# KiCad board ESP32-P4-PC_Rev_B.kicad_pcb (continued)
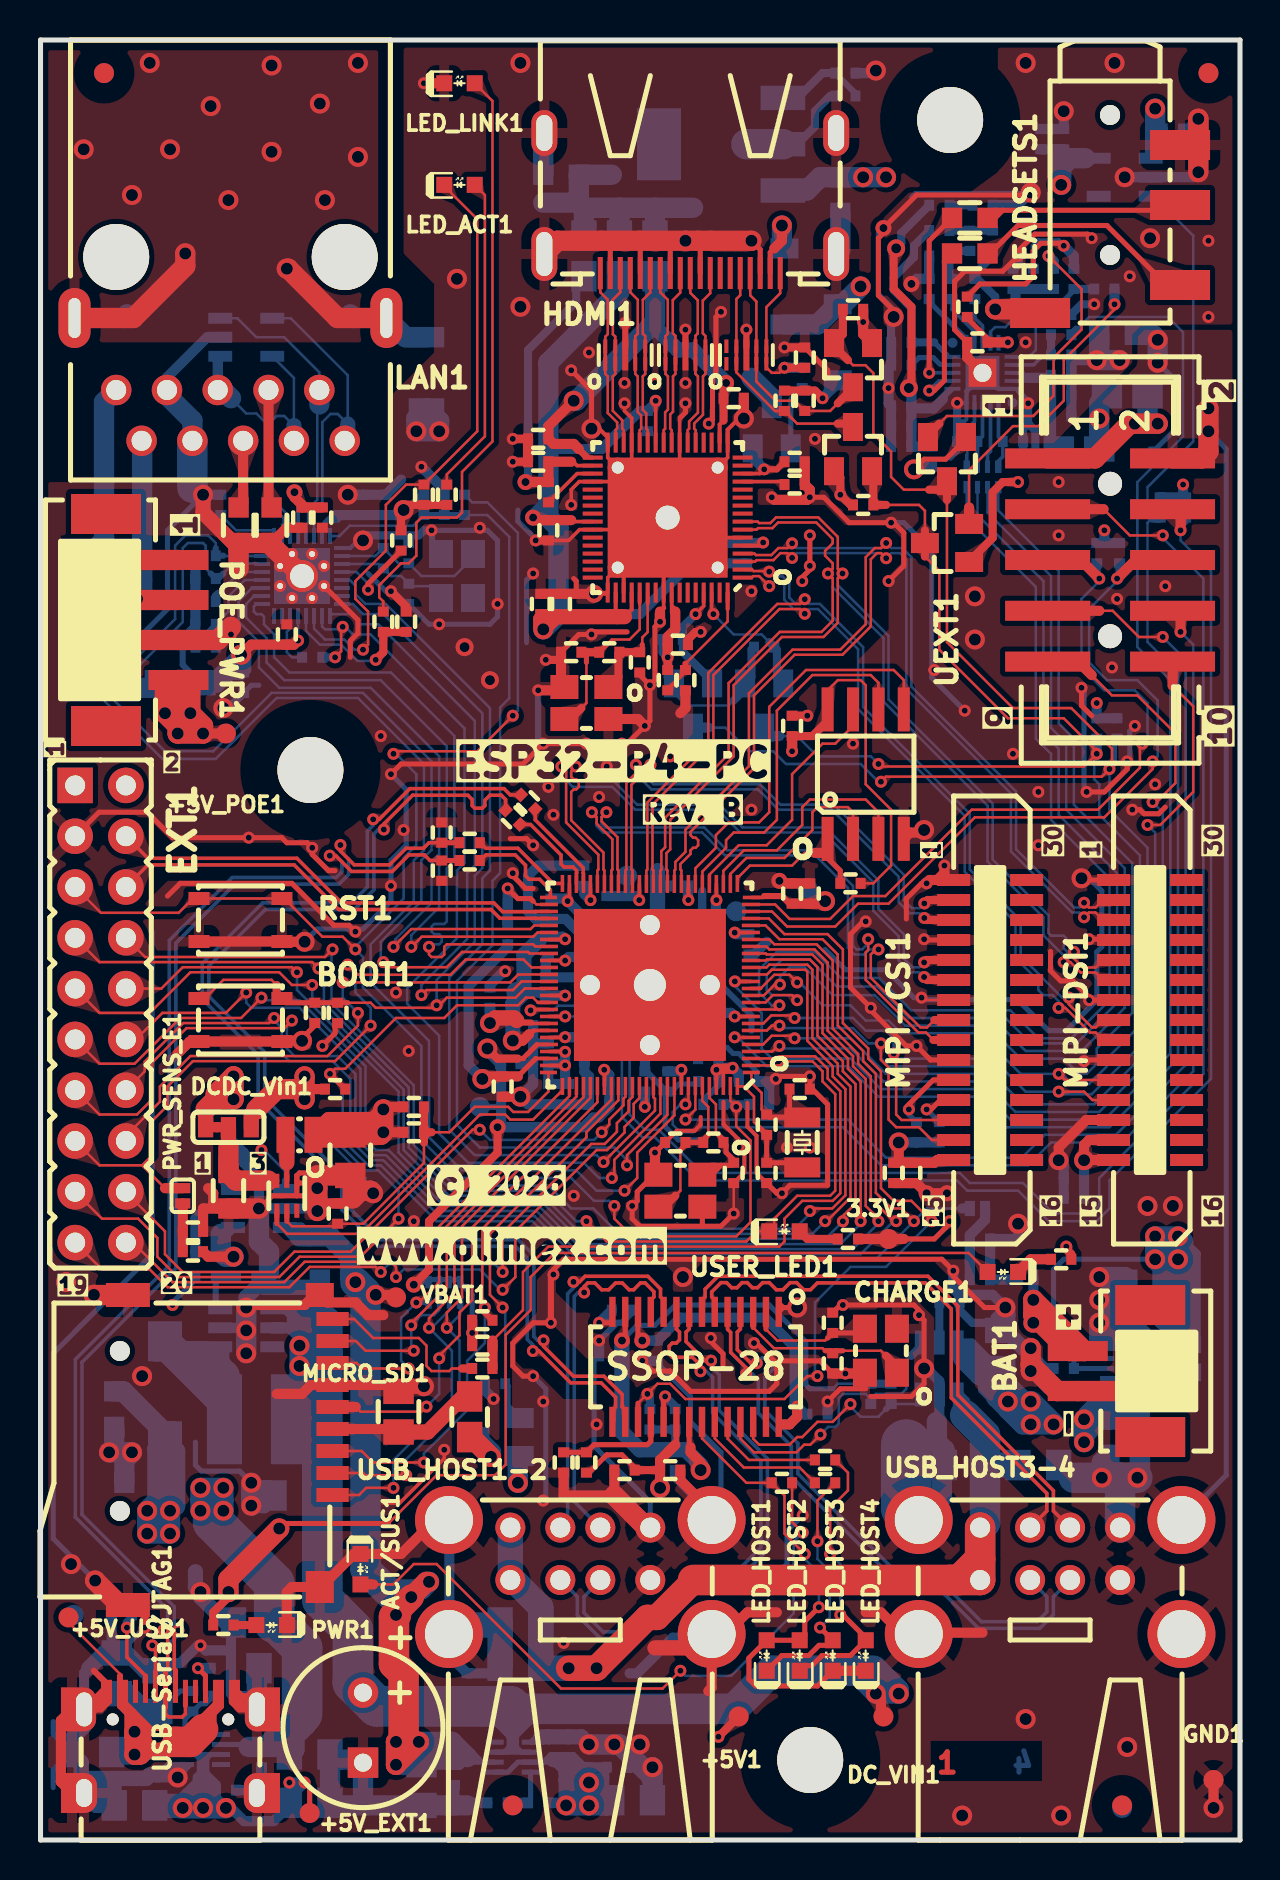
[diagram p0: board, top side]
## Placement (name value [footprint] x y rotation side) (continued)
U2  IP101GRR(32-PIN_QFN)  [QFN32_EP(33)_4.00x4.00x0.80mm_Pitch_0.40mm]  13.08 63.2 270 bottom
U3  W25Q128JVSIQ(16MB)  [SO-8_208mil]  41.28 53.29 0 top
U4  TPS62A02ADRLR(SOT-563-6)  [SOT-563-6]  54.1 23.58 0 bottom
U5  TPS62A02ADRLR(SOT-563-6)  [SOT-563-6]  12.32 32.21 90 top
U6  CH217K(SOT23-6L)  [SOT23-6]  44.96 23.58 270 bottom
U7  FE1.1s(SSOP-28)  [SSOP28_10x4mm_Pitch_0.64mm]  32.77 23.66 180 top
U8  ES8311(QFN-20)  [QFN-20_EP(21)_3x3x0.6mm_Pitch_0.4mm]  47.12 73.36 270 bottom
U9  NA(RCLAMP0524P(SLP2510P8))  [SLP2510P8_TEST]  29.25 74.25 0 top
U10  NA(RCLAMP0524P(SLP2510P8))  [SLP2510P8_TEST]  32.26 74.25 0 top
U11  NA(RCLAMP0524P(SLP2510P8))  [SLP2510P8_TEST]  35.31 74.25 0 top
U12  LT8912B(QFN64)  [QFN64_7.5x7.5mm_Pitch_0.4mm]  31.37 66.12 90 top
U13  TPS2116  [SOT-5X3]  8.13 4.53 90 bottom
U14  MT3608(SOT23-6)  [SOT23-6]  10.29 25.61 180 bottom
U15  TP4054-42-SOT25-R(SOT23-5)  [SOT-23-5]  10.92 31.58 0 bottom
U16  TPS2116  [SOT-5X3]  23.62 4.14 270 bottom
UEXT1  P-B-V-10-LF  [GBH-254-SMT-10]  53.5 64 270 top
USB-Serial/JTAG1  USB-C-16P-F(A40-00119-A52-12)  [USB2.0_TYPE-C(A40-00119-A52-12)_Paste]  6.5 3.5 270 top
USB_HOST1-2  USBB1-FRWH-4A(USB-Ax2)  [USB_TWO_LEVEL]  27 13 0 top
USB_HOST3-4  USBB1-FRWH-4A(USB-Ax2)  [USB_TWO_LEVEL]  50.5 13 0 top
USER_LED1  LED/GREEN/0603  [LED_0603_KA]  37.21 30.43 0 top
VBAT1  TESTPAD  [TESTPAD_40-ROUND]  17.78 27.13 0 top
VO1  TESTPAD  [TESTPAD_40-ROUND]  34.8 46.44 180 bottom
VO2  TESTPAD  [TESTPAD_40-ROUND]  23.8 42.4 180 bottom
VO3  TESTPAD  [TESTPAD_40-ROUND]  29.34 48.21 180 bottom
VO4  TESTPAD  [TESTPAD_40-ROUND]  21.97 36.66 180 bottom
VR1  LD1117AG-AD-AA3-A-R  [SOT223]  34.04 84.79 0 bottom
VR2  AP1231-3.3V(SOT23-5)  [SOT-23-5]  54.23 83.14 0 bottom

## Library data of the parts
3.3V1 +5V1 +5V_EXT1 +5V_POE1 +5V_USB1 CORE1 DC_VIN1 FID1-FID8 GND1 GND2 MH1-MH3 R1-R35 R37-R60 R63 R64 R66-R74 R76 R78-R82 R85 R87 R89 R91-R93 R95 R98 R102 R103 R105 VBAT1 VO1-VO4 = -: Sim.Enable: 0
BAT1 C66 C75 C115 R36 R90 R94 R96 VR1 = -: Fieldname 1: Value 1; Fieldname2: Value2; Fieldname3: Value3
HDMI1 = -: Description: HDMI Female Connector SMD; Note: PB-Free
HEADSETS1 = -: Description: 3.5mm Audio Stereo Jack SMD; Note: PB-Free
MICRO_SD1 = -: Description: MICRO SD Card Connector; Note: PB-Free
TVS1 = -: Description: The ESDS314 devices are unidirectional ESD Protection Diode with a low capacitance.
U3 = -: Field4: SO-8; Field5: 208mil
U4 = -: Description: 2-A High-Efficiency Synchronous Buck Converters in a SOT563 Package; Note: PB-Free; Field6: PB-Free
U5 = -: Description: 2-A High-Efficiency Synchronous Buck Converters in a SOT563 Package; Note: PB-Free; Field5: PB-Free
U6 = -: Description: USB Current limiting Power Distribution Switch Chip CH217; Note: PB-Free
U7 = -: Description: USB2.0 protocol compliant 4-port USB HUB controller chip.
U8 = -: Description: Low Power Mono Audio CODEC; Note: PB-Free
U12 = -: Note: PB-Free
U13 U16 = -: Description: TPS2116 is a power mux device with a voltage / rating of 1.6 V to 5.5 V and a maximum current rating of 2.5 A.
U14 = -: Description: High Efficiency 1.2MHz 2A Step Up Converter; Note: PB-Free
U15 = -: Description: 800mA Standalone Linear Li-Ion Battery Charger with Thermal Regulation in SOT23-5/TSOT23-5; Note: PB-Free
UEXT1 = -: Description: Connector 10 pins 2x5; Note: PB-Free
USB_HOST1-2 USB_HOST3-4 = -: Description: USB2.0 A type Connector Host*2, usb socket 2x01 dip 90 a type; Note: PB-Free
VR2 = -: Description: 150mA CMOS LDO; Note: PB-Free

## Footprints (pads in the part's own frame, mm; a bottom-side part is the same pattern mirrored in y, then rotated)
C_0402_5MIL_DWS
  rect 0.5x0.55 smd: 1(-0.508,0) 2(0.508,0)
C_0603_5MIL_DWS
  rect 1.016x1.016 smd: 1(-0.889,0) 2(0.889,0)
C_0805_5MIL_DWS
  rect 1.27x1.524 smd: 1(-1.016,0) 2(1.016,0)
C_1206_5MIL_DWS_ISO
  rect 1.016x1.778 smd: 1(-1.778,0) 2(1.778,0)
CD42(43)
  rect 1.75x4.5 smd: 1(-1.6,0) 2(1.6,0)
CM7V-T1A(Crystal_Package-1206_3.20x1.50x0.65mm)
  rect 1x1.8 smd: 1(-1.25,0) 2(1.25,0)
CPOL-RM3.5mm_8.0x11.5mm_PTH
  round 1.524 hole 0.9: 1(-1.75,0)
  rect 1.524x1.524 hole 0.9: 2(1.75,0)
Fiducial1x3
  round 1 smd: Fid1(0,0)
Fiducial1x3_Paste
  round 1 smd: Fid1(0,0)
GBH-254-SMT-10
  trapezoid 1.7x4.55 smd: (-5.08,3.125) (-5.08,-3.125) (-2.54,3.125) (-2.54,-3.125) (0,3.125) (0,-3.125) (2.54,3.125) (2.54,-3.125) (5.08,3.125) (5.08,-3.125)
  round 1.2 hole 1.2 unplated: (-3.81,0) (3.81,0)
  rect 1x4.25 smd: 1(-5.08,-3.125) 2(-5.08,3.125) 3(-2.54,-3.125) 4(-2.54,3.125) 5(0,-3.125) 6(0,3.125) 7(2.54,-3.125) 8(2.54,3.125) 9(5.08,-3.125) 10(5.08,3.125)
HDMI-SWM-19_Paste
  rect 2.4x2.8 smd: (-7.85,1.45) (7.85,1.45)
  rect 2.4x3.2 smd: (-7.85,-4.6) (7.85,-4.6)
  oval 1.3x2.3 hole 0.8x1.8: 0(-7.3,1.45) 0(7.3,1.45)
  oval 1.3x2.7 hole 0.8x2.2: 0(-7.3,-4.6) 0(7.3,-4.6)
  rect 0.25x1.6 smd: 1(-4.5,-5.55) 2(-4,-5.55) 3(-3.5,-5.55) 4(-3,-5.55) 5(-2.5,-5.55) 6(-2,-5.55) 7(-1.5,-5.55) 8(-1,-5.55) 9(-0.5,-5.55) 10(0,-5.55) 11(0.5,-5.55) 12(1,-5.55) 13(1.5,-5.55) 14(2,-5.55) 15(2.5,-5.55) 16(3,-5.55) 17(3.5,-5.55) 18(4,-5.55) 19(4.5,-5.55)
HN2x10
  rect 1.778x1.778 hole 1: 1(-11.43,-1.27)
  round 1.778 hole 1: 2(-11.43,1.27) 3(-8.89,-1.27) 4(-8.89,1.27) 5(-6.35,-1.27) 6(-6.35,1.27) 7(-3.81,-1.27) 8(-3.81,1.27) 9(-1.27,-1.27) 10(-1.27,1.27) 11(1.27,-1.27) 12(1.27,1.27) 13(3.81,-1.27) 14(3.81,1.27) 15(6.35,-1.27) 16(6.35,1.27) 17(8.89,-1.27) 18(8.89,1.27) 19(11.43,-1.27) 20(11.43,1.27)
L_0805_5MIL_DWS
  rect 1.524x1.27 smd: 1(-1.016,0) 2(1.016,0)
L_2016_MM
  rect 1.1x2 smd: (-0.7,0) (0.7,0)
  rect 0.9x1.8 smd: 1(-0.7,0) 2(0.7,0)
LED_0603_KA
  rect 0.8x0.8 smd: 1(-0.762,0) 2(0.762,0)
Mounting_Hole_Drill-3.3mm_Clerance-7mm
  round 3.3 hole 3.3 unplated: (0,0)
PH2.0-2AT(BAT)
  rect 2.4x3.9 smd: (-3.3,0.275) (3.3,0.275)
  rect 1.4x3.4 smd: (-1,3.9) (1,3.9)
  rect 2x3.5 smd: 0(-3.3,0.275) 0(3.3,0.275)
  rect 1x3 smd: 1(1,3.9) 2(-1,3.9)
PH2.0-4PLB
  rect 2.4x3.9 smd: (-5.3,0.275) (5.3,0.275)
  rect 1.4x3.4 smd: (-3,3.9) (-1,3.9) (1,3.9) (3,3.9)
  rect 2x3.5 smd: 0(-5.3,0.275) 0(5.3,0.275)
  rect 1x3 smd: 1(-3,3.9) 2(-1,3.9) 3(1,3.9) 4(3,3.9)
PJ-320D
  round 1 hole 1 unplated: (-3.35,0) (3.65,0)
  rect 2.1x3.6 smd: (-1.85,3.5) (1.15,3.5) (5.15,3.5) (6.55,-3.5)
  rect 1.5x3 smd: 1(6.55,-3.5) 2(-1.85,3.5) 3(1.15,3.5) 4(5.15,3.5)
QFN32_EP(33)_4.00x4.00x0.80mm_Pitch_0.40mm
  rect 0.8x0.211 smd: (-2,-1.4) (-2,-1) (-2,-0.6) (-2,-0.2) (-2,0.2) (-2,0.6) (-2,1) (-2,1.4) (2,-1.4) (2,-1) (2,-0.6) (2,-0.2) (2,0.2) (2,0.6) (2,1) (2,1.4)
  rect 0.211x0.8 smd: (-1.4,-2) (-1.4,2) (-1,-2) (-1,2) (-0.6,-2) (-0.6,2) (-0.2,-2) (-0.2,2) (0.2,-2) (0.2,2) (0.6,-2) (0.6,2) (1,-2) (1,2) (1.4,-2) (1.4,2)
  rect 0.7x0.7 smd: (-1.05,-1.05) (-1.05,1.05) (1.05,-1.05) (1.05,1.05)
  rect 0.7x0.6 smd: (-1.05,0) (1.05,0)
  rect 0.6x0.7 smd: (0,-1.05) (0,1.05)
  rect 0.2x0.8 smd: 1(-1.4,-2) 2(-1,-2) 3(-0.6,-2) 4(-0.2,-2) 5(0.2,-2) 6(0.6,-2) 7(1,-2) 8(1.4,-2) 17(1.4,2) 18(1,2) 19(0.6,2) 20(0.2,2) 21(-0.2,2) 22(-0.6,2) 23(-1,2) 24(-1.4,2)
  rect 0.8x0.2 smd: 9(2,-1.4) 10(2,-1) 11(2,-0.6) 12(2,-0.2) 13(2,0.2) 14(2,0.6) 15(2,1) 16(2,1.4) 25(-2,1.4) 26(-2,1) 27(-2,0.6) 28(-2,0.2) 29(-2,-0.2) 30(-2,-0.6) 31(-2,-1) 32(-2,-1.4)
  round 0.6 hole 0.3: 33(-1.1,-0.5) 33(-1.1,0.5) 33(-0.5,-1.1) 33(-0.5,1.1) 33(0.5,-1.1) 33(0.5,1.1) 33(1.1,-0.5) 33(1.1,0.5)
  round 1.6 hole 1.2: 33(0,0)
  rect 2.8x2.8 smd: 33(0,0)
QFN64_7.5x7.5mm_Pitch_0.4mm
  rect 1x0.211 smd: (-3.75,3) (-3.75,2.6) (-3.75,2.2) (-3.75,1.8) (-3.75,1.4) (-3.75,1) (-3.75,0.6) (-3.75,0.2) (-3.75,-0.2) (-3.75,-0.6) (-3.75,-1) (-3.75,-1.4) (-3.75,-1.8) (-3.75,-2.2) (-3.75,-2.6) (-3.75,-3) (3.75,3) (3.75,2.6) (3.75,2.2) (3.75,1.8) (3.75,1.4) (3.75,1) (3.75,0.6) (3.75,0.2) (3.75,-0.2) (3.75,-0.6) (3.75,-1) (3.75,-1.4) (3.75,-1.8) (3.75,-2.2) (3.75,-2.6) (3.75,-3)
  rect 0.211x1 smd: (-3,3.75) (-3,-3.75) (-2.6,3.75) (-2.6,-3.75) (-2.2,3.75) (-2.2,-3.75) (-1.8,3.75) (-1.8,-3.75) (-1.4,3.75) (-1.4,-3.75) (-1,3.75) (-1,-3.75) (-0.6,3.75) (-0.6,-3.75) (-0.2,3.75) (-0.2,-3.75) (0.2,3.75) (0.2,-3.75) (0.6,3.75) (0.6,-3.75) (1,3.75) (1,-3.75) (1.4,3.75) (1.4,-3.75) (1.8,3.75) (1.8,-3.75) (2.2,3.75) (2.2,-3.75) (2.6,3.75) (2.6,-3.75) (3,3.75) (3,-3.75)
  rect 1.7x1.7 smd: (-2,0) (0,2) (0,-2) (2,0)
  rect 0.2x1 smd: 1(-3,-3.75) 2(-2.6,-3.75) 3(-2.2,-3.75) 4(-1.8,-3.75) 5(-1.4,-3.75) 6(-1,-3.75) 7(-0.6,-3.75) 8(-0.2,-3.75) 9(0.2,-3.75) 10(0.6,-3.75) 11(1,-3.75) 12(1.4,-3.75) 13(1.8,-3.75) 14(2.2,-3.75) 15(2.6,-3.75) 16(3,-3.75) 33(3,3.75) 34(2.6,3.75) 35(2.2,3.75) 36(1.8,3.75) 37(1.4,3.75) 38(1,3.75) 39(0.6,3.75) 40(0.2,3.75) 41(-0.2,3.75) 42(-0.6,3.75) 43(-1,3.75) 44(-1.4,3.75) 45(-1.8,3.75) 46(-2.2,3.75) 47(-2.6,3.75) 48(-3,3.75)
  rect 1x0.2 smd: 17(3.75,-3) 18(3.75,-2.6) 19(3.75,-2.2) 20(3.75,-1.8) 21(3.75,-1.4) 22(3.75,-1) 23(3.75,-0.6) 24(3.75,-0.2) 25(3.75,0.2) 26(3.75,0.6) 27(3.75,1) 28(3.75,1.4) 29(3.75,1.8) 30(3.75,2.2) 31(3.75,2.6) 32(3.75,3) 49(-3.75,3) 50(-3.75,2.6) 51(-3.75,2.2) 52(-3.75,1.8) 53(-3.75,1.4) 54(-3.75,1) 55(-3.75,0.6) 56(-3.75,0.2) 57(-3.75,-0.2) 58(-3.75,-0.6) 59(-3.75,-1) 60(-3.75,-1.4) 61(-3.75,-1.8) 62(-3.75,-2.2) 63(-3.75,-2.6) 64(-3.75,-3)
  round 1 hole 0.6: 65(-2.5,2.5) 65(-2.5,-2.5) 65(2.5,2.5) 65(2.5,-2.5)
  round 1.8 hole 1.2: 65(0,0)
  rect 6x6 smd: 65(0,0)
QFN104_10mm×10mm_Pitch_0.35mm
  rect 3.1x3.3 smd: (-2.25,2.15) (-2.25,-2.15) (2.25,2.15) (2.25,-2.15)
  rect 0.175x0.85 smd: 1(-4.375,-5.075) 26(4.375,-5.075) 53(4.375,5.075) 78(-4.375,5.075)
  rect 0.175x0.9 smd: 2(-4.025,-5.05) 3(-3.675,-5.05) 4(-3.325,-5.05) 5(-2.975,-5.05) 6(-2.625,-5.05) 7(-2.275,-5.05) 8(-1.925,-5.05) 9(-1.575,-5.05) 10(-1.225,-5.05) 11(-0.875,-5.05) 12(-0.525,-5.05) 13(-0.175,-5.05) 14(0.175,-5.05) 15(0.525,-5.05) 16(0.875,-5.05) 17(1.225,-5.05) 18(1.575,-5.05) 19(1.925,-5.05) 20(2.275,-5.05) 21(2.625,-5.05) 22(2.975,-5.05) 23(3.325,-5.05) 24(3.675,-5.05) 25(4.025,-5.05) 54(4.025,5.05) 55(3.675,5.05) 56(3.325,5.05) 57(2.975,5.05) 58(2.625,5.05) 59(2.275,5.05) 60(1.925,5.05) 61(1.575,5.05) 62(1.225,5.05) 63(0.875,5.05) 64(0.525,5.05) 65(0.175,5.05) 66(-0.175,5.05) 67(-0.525,5.05) 68(-0.875,5.05) 69(-1.225,5.05) 70(-1.575,5.05) 71(-1.925,5.05) 72(-2.275,5.05) 73(-2.625,5.05) 74(-2.975,5.05) 75(-3.325,5.05) 76(-3.675,5.05) 77(-4.025,5.05)
  rect 0.85x0.175 smd: 27(5.075,-4.375) 52(5.075,4.375) 79(-5.075,4.375) 104(-5.075,-4.375)
  rect 0.9x0.175 smd: 28(5.05,-4.025) 29(5.05,-3.675) 30(5.05,-3.325) 31(5.05,-2.975) 32(5.05,-2.625) 33(5.05,-2.275) 34(5.05,-1.925) 35(5.05,-1.575) 36(5.05,-1.225) 37(5.05,-0.875) 38(5.05,-0.525) 39(5.05,-0.175) 40(5.05,0.175) 41(5.05,0.525) 42(5.05,0.875) 43(5.05,1.225) 44(5.05,1.575) 45(5.05,1.925) 46(5.05,2.275) 47(5.05,2.625) 48(5.05,2.975) 49(5.05,3.325) 50(5.05,3.675) 51(5.05,4.025) 80(-5.05,4.025) 81(-5.05,3.675) 82(-5.05,3.325) 83(-5.05,2.975) 84(-5.05,2.625) 85(-5.05,2.275) 86(-5.05,1.925) 87(-5.05,1.575) 88(-5.05,1.225) 89(-5.05,0.875) 90(-5.05,0.525) 91(-5.05,0.175) 92(-5.05,-0.175) 93(-5.05,-0.525) 94(-5.05,-0.875) 95(-5.05,-1.225) 96(-5.05,-1.575) 97(-5.05,-1.925) 98(-5.05,-2.275) 99(-5.05,-2.625) 100(-5.05,-2.975) 101(-5.05,-3.325) 102(-5.05,-3.675) 103(-5.05,-4.025)
  round 1.6 hole 1: 105(-3,0) 105(0,3) 105(0,-3) 105(3,0)
  round 2.4 hole 1.6: 105(0,0)
  rect 7.6x7.6 smd: 105(0,0)
QFN-20_EP(21)_3x3x0.6mm_Pitch_0.4mm
  rect 0.8x0.211 smd: (-1.5,-0.8) (-1.5,-0.4) (-1.5,0) (-1.5,0.4) (-1.5,0.8) (1.5,-0.8) (1.5,-0.4) (1.5,0) (1.5,0.4) (1.5,0.8)
  rect 0.211x0.8 smd: (-0.8,-1.5) (-0.8,1.5) (-0.4,-1.5) (-0.4,1.5) (0,-1.5) (0,1.5) (0.4,-1.5) (0.4,1.5) (0.8,-1.5) (0.8,1.5)
  rect 0.4x0.5 smd: (-0.65,0) (0.65,0)
  rect 0.5x0.4 smd: (0,-0.65) (0,0.65)
  rect 0.2x0.8 smd: 1(-0.8,-1.5) 2(-0.4,-1.5) 3(0,-1.5) 4(0.4,-1.5) 5(0.8,-1.5) 11(0.8,1.5) 12(0.4,1.5) 13(0,1.5) 14(-0.4,1.5) 15(-0.8,1.5)
  rect 0.8x0.2 smd: 6(1.5,-0.8) 7(1.5,-0.4) 8(1.5,0) 9(1.5,0.4) 10(1.5,0.8) 16(-1.5,0.8) 17(-1.5,0.4) 18(-1.5,0) 19(-1.5,-0.4) 20(-1.5,-0.8)
  rect 1.4x1.4 hole 0.9: 21(0,0)
  rect 1.7x1.7 smd: 21(0,0)
  round 0.5 smd: FID1(1.5,-1.5) FID2(-1.5,1.5)
R_0402_5MIL_DWS
  rect 0.5x0.55 smd: 1(-0.508,0) 2(0.508,0)
R_0603_5MIL_DWS
  rect 1.016x1.016 smd: 1(-0.889,0) 2(0.889,0)
RA0805_(4X0402)_xx_BIGGEROUTPADS
  rect 0.325x0.625 smd: 1.1(-0.79,-0.512) 1.2(-0.79,0.512) 4.1(0.79,-0.512) 4.2(0.79,0.512)
  rect 0.25x0.625 smd: 2.1(-0.25,-0.512) 2.2(-0.25,0.512) 3.1(0.25,-0.512) 3.2(0.25,0.512)
RJP-003TC1(LPJ4112CNL)
  round 3.3 hole 3.3 unplated: (-5.715,-0.15) (5.715,-0.15)
  oval 1.6x3 hole 0.6x2: 0(-7.8,2.9) 0(7.8,2.9)
  round 1.524 hole 1: 1(-5.715,9.04) 2(-4.445,6.5) 3(-3.175,9.04) 4(-1.905,6.5) 5(-0.635,9.04) 6(0.635,6.5) 7(1.905,9.04) 8(3.175,6.5) 9(4.445,9.04) 10(5.715,6.5)
SJ_1_SMALLER
  rect 0.508x0.762 smd: 1(-0.381,0) 2(0.381,0)
SJ_2_SMALL_12_TIED
  rect 0.762x1.016 smd: 1(-1.143,0) 2(0,0) 3(1.143,0)
  rect 0.508x0.508 smd: 1(-0.762,0) 2(-0.381,0)
SLP2510P8_TEST
  rect 0.2x0.675 smd: 1(-1,-0.438) 2(-0.5,-0.438) 4(0.5,-0.438) 5(1,-0.438) 6(1,0.438) 7(0.5,0.438) 9(-0.5,0.438) 10(-1,0.438)
  rect 0.3x0.775 smd: 3(0,-0.388) 8(0,0.388)
SMA-KA
  rect 2x1.7 smd: 1(-2.5,0) 2(2.5,0)
  rect 1.746x1.192 smd: 1(-2.373,0) 2(2.373,0)
SO-8_208mil
  rect 0.6x2.2 smd: 1(-1.905,-3.235) 2(-0.635,-3.235) 3(0.635,-3.235) 4(1.905,-3.235) 5(1.905,3.235) 6(0.635,3.235) 7(-0.635,3.235) 8(-1.905,3.235)
SOD-123_1C-2A_KA
  rect 1x1.4 smd: 1(-1.9,0) 2(1.9,0)
SOT23
  rect 1.4x1 smd: 1(1.107,-0.95) 2(1.107,0.953) 3(-1.102,-0.003)
SOT23-6
  rect 1.2x0.55 smd: 1(1.3,-0.95) 2(1.3,0) 3(1.3,0.95) 4(-1.3,0.95) 5(-1.3,0) 6(-1.3,-0.95)
SOT223
  rect 2.235x1.219 smd: 1(3.099,-2.311) 2(3.099,0) 3(3.099,2.311)
  rect 2.2x3.6 smd: 2(-3.099,0)
SOT-5X3
  rect 0.23x0.9 smd: (-0.75,-0.9) (-0.75,0.9) (-0.25,-0.9) (-0.25,0.9) (0.25,-0.9) (0.25,0.9) (0.75,-0.9) (0.75,0.9)
  rect 0.25x0.9 smd: 1(-0.75,-0.9) 2(-0.25,-0.9) 3(0.25,-0.9) 4(0.75,-0.9) 5(0.75,0.9) 6(0.25,0.9) 7(-0.25,0.9) 8(-0.75,0.9)
SOT-23-5
  rect 1.2x0.55 smd: 1(1.3,-0.95) 2(1.3,0) 3(1.3,0.95) 4(-1.3,0.95) 5(-1.3,-0.95)
SOT-563-6
  rect 0.75x0.23 smd: (-0.775,0.5) (-0.775,0) (-0.775,-0.5) (0.775,0.5) (0.775,0) (0.775,-0.5)
  rect 0.7x0.25 smd: 1(0.75,-0.5) 2(0.75,0) 3(0.75,0.5) 4(-0.75,0.5) 5(-0.75,0) 6(-0.75,-0.5)
SSOP28_10x4mm_Pitch_0.64mm
  rect 0.32x1.5 smd: 1(-4.16,-2.75) 2(-3.52,-2.75) 3(-2.88,-2.75) 4(-2.24,-2.75) 5(-1.6,-2.75) 6(-0.96,-2.75) 7(-0.32,-2.75) 8(0.32,-2.75) 9(0.96,-2.75) 10(1.6,-2.75) 11(2.24,-2.75) 12(2.88,-2.75) 13(3.52,-2.75) 14(4.16,-2.75) 15(4.16,2.75) 16(3.52,2.75) 17(2.88,2.75) 18(2.24,2.75) 19(1.6,2.75) 20(0.96,2.75) 21(0.32,2.75) 22(-0.32,2.75) 23(-0.96,2.75) 24(-1.6,2.75) 25(-2.24,2.75) 26(-2.88,2.75) 27(-3.52,2.75) 28(-4.16,2.75)
TE_1-1734248-5
  rect 0.74x1.75 smd: (-7,1.825) (-7,-1.825) (-6,1.825) (-6,-1.825) (-5,1.825) (-5,-1.825) (-4,1.825) (-4,-1.825) (-3,1.825) (-3,-1.825) (-2,1.825) (-2,-1.825) (-1,1.825) (-1,-1.825) (0,1.825) (0,-1.825) (1,1.825) (1,-1.825) (2,1.825) (2,-1.825) (3,1.825) (3,-1.825) (4,1.825) (4,-1.825) (5,1.825) (5,-1.825) (6,1.825) (6,-1.825) (7,1.825) (7,-1.825)
  rect 0.6x1.65 smd: 1(7,1.825) 2(6,1.825) 3(5,1.825) 4(4,1.825) 5(3,1.825) 6(2,1.825) 7(1,1.825) 8(0,1.825) 9(-1,1.825) 10(-2,1.825) 11(-3,1.825) 12(-4,1.825) 13(-5,1.825) 14(-6,1.825) 15(-7,1.825) 16(-7,-1.825) 17(-6,-1.825) 18(-5,-1.825) 19(-4,-1.825) 20(-3,-1.825) 21(-2,-1.825) 22(-1,-1.825) 23(0,-1.825) 24(1,-1.825) 25(2,-1.825) 26(3,-1.825) 27(4,-1.825) 28(5,-1.825) 29(6,-1.825) 30(7,-1.825)
TESTPAD_40-ROUND
  round 1 smd: 1(0,0)
TFC-WPAPR-08
  rect 1.8x1.8 smd: (-6.37,6.95)
  rect 1.8x1.4 smd: (-6.37,-7.85)
  rect 2.6x1.4 smd: (3.23,7.85) (3.23,-7.85)
  round 1 hole 1 unplated: (3.632,3.048) (3.632,-4.953)
  rect 1.1x0.7 smd: 1(-7.25,2.25) 2(-7.25,1.15) 3(-7.25,0.05) 4(-7.25,-1.05) 5(-7.25,-2.15) 6(-7.25,-3.25) 7(-7.25,-4.35) 8(-7.25,-5.45) 9(-7.25,-6.55)
  rect 1.6x0.7 smd: 1(-7,2.25) 2(-7,1.15) 3(-7,0.05) 4(-7,-1.05) 5(-7,-2.15) 6(-7,-3.25) 7(-7,-4.35) 8(-7,-5.45) 9(-7,-6.55)
  rect 1.4x1.2 smd: 10(-6.37,-7.75)
  rect 1.4x1.6 smd: 11(-6.37,6.85)
  rect 2.2x1.2 smd: 12(3.23,-7.75) 13(3.23,7.75)
TSX-3.2x2.5mm_GND(3)
  rect 1.4x1.2 smd: 1(-1.1,-0.8) 2(1.1,0.8) 3(-1.1,0.8) 3(1.1,-0.8)
USB2.0_TYPE-C(A40-00119-A52-12)_Paste
  rect 3.2x2.1 smd: (-3.03,4.928) (-3.03,-4.928)
  round 0.6 hole 0.6 unplated: (-2.53,2.89) (-2.53,-2.89)
  rect 3x2.1 smd: (1.15,4.928) (1.15,-4.928)
  rect 2.2x1.1 smd: 0(-3.03,4.928) 0(-3.03,-4.928)
  oval 2.2x1.2 hole 1.7x0.8: 0(-3.03,4.32) 0(-3.03,-4.32)
  rect 2x1.1 smd: 0(1.15,4.928) 0(1.15,-4.928)
  oval 2x1.3 hole 1.4x0.8: 0(1.15,4.32) 0(1.15,-4.32)
  rect 1.15x0.3 smd: A1(-3.932,-3.325) A4(-3.932,-2.525) A9(-3.932,2.525) A12(-3.932,3.325) B1(-3.932,3.075) B4(-3.932,2.275) B9(-3.932,-2.275) B12(-3.932,-3.075)
  rect 1.15x0.25 smd: A5(-3.932,-1.25) A6(-3.932,-0.25) A7(-3.932,0.25) A8(-3.932,1.25) B5(-3.932,1.75) B6(-3.932,0.75) B7(-3.932,-0.75) B8(-3.932,-1.75)
USB_TWO_LEVEL
  round 3.4 hole 2.4: 0(-6.57,3) 0(-6.57,-2.7) 0(6.57,3) 0(6.57,-2.7)
  round 1.5 hole 1: 1.1(-3.5,2.62) 1.2(-1,2.62) 1.3(1,2.62) 1.4(3.5,2.62) 2.1(-3.5,0) 2.2(-1,0) 2.3(1,0) 2.4(3.5,0)
YTS-A016-X
  rect 1.4x1 smd: (-2.075,1.075) (-2.075,-1.075) (2.075,1.075) (2.075,-1.075)
  rect 1.05x0.65 smd: 1(-2.075,1.075) 1(2.075,1.075) 2(-2.075,-1.075) 2(2.075,-1.075)

## Nets
+1V8: C39.2 C54.2 C55.2 U1.59 U1.67 U1.72 VO2.1
+2.5V: C10.1 C11.1 C58.2 U1.41 U1.73 VO3.1
+3.3V: 3.3V1.1 C3.1 C4.1 C5.2 C12.1 C13.1 C29.1 C30.1 C32.2 C41.2 C42.2 C43.2 C46.2 C50.2 C51.2 C53.2 C56.1 C57.1 C59.2 C63.1 C64.1 C66.1 DCDC_Vin1.3 EXT1.1 FET1.2 FET7.1 FET8.1 L2.1 L3.2 L9.1 MIPI-CSI1.15 MIPI-DSI1.14 MIPI-DSI1.15 R4.1 R27.1 R28.1 R29.1 R30.1 R33.2 R41.1 R42.1 R43.1 R44.2 R49.1 R83.1 R86.1 R92.2 R93.2 U1.9 U1.21 U1.51 U1.62 U1.75 U1.77 U1.96 U1.101 U1.102 UEXT1.1 VR1.3
+3.3VA: C82.1 FET3.1 FET4.1 L5.1 L9.2 R56.2 R57.2 R63.2 R68.1 R77.1 VR2.5
+5V: +5V1.1 C67.1 C74.1 C76.1 C91.2 C122.1 C123.1 D2.2 D3.2 D4.1 EXT1.2 R69.2 R95.1 U6.6 U7.20 VR2.1
+5V_EXT: +5V_EXT1.1 C31.2 C118.2 C125.1 C126.1 C130.1 C131.2 CHARGE1.2 R36.1 R39.2 R105.2 U13.2 U13.7 U15.4 U16.3 U16.5
+5V_USB: +5V_USB1.1 C119.2 C127.2 C132.2 C133.2 R24.2 U13.3 U13.5 USB-Serial/JTAG1.A4 USB-Serial/JTAG1.A9 USB-Serial/JTAG1.B4 USB-Serial/JTAG1.B9
+5VP: +5V_POE1.1 C120.2 C134.2 C135.2 C136.2 POE_PWR1.4 U13.6
/3.3V_PHY: C20.1 C21.1 C22.1 C23.1 L2.2 R7.2 R8.2 R18.1 R21.1 R22.1 R34.1 R35.1 R37.1 U2.13 U2.31
/+5V_HDMI: D3.1 HDMI1.18
/+5V_USB_HOST: C89.2 C90.2 C92.2 C93.2 U6.1 USB_HOST1-2.1.1 USB_HOST1-2.2.1 USB_HOST3-4.1.1 USB_HOST3-4.2.1
/VDD_SD: FET1.3 L1.1
GND: ACT/SUS1.1 BAT1.2 BOOT1.2 C1.1 C2.1 C3.2 C4.2 C5.1 C6.2 C7.2 C8.1 C9.1 C10.2 C11.2 C12.2 C13.2 C14.2 C15.1 C16.1 C17.1 C18.2 C19.2 C20.2 C21.2 C22.2 C23.2 C24.1 C25.1 C26.2 C27.2 C28.2 C29.2 C30.2 C31.1 C32.1 C33.1 C34.2 C35.2 C36.2 C37.2 C38.1 C39.1 C40.1 C41.1 C42.1 C43.1 C44.1 C45.1 C46.1 C47.1 C48.2 C49.2 C50.1 C51.1 C52.1 C53.1 C54.1 C55.1 C56.2 C57.2 C58.1 C60.2 C61.1 C63.2 C64.2 C65.2 C66.2 C67.2 C68.2 C69.2 C70.2 C71.2 C72.2 C73.2 C74.2 C75.2 C89.1 C90.1 C91.1 C92.1 C93.1 C94.2 C95.2 C96.2 C105.1 C106.1 C107.1 C108.1 C109.1 C111.1 C112.1 C113.1 C114.1 C115.1 C116.1 C117.2 C118.1 C119.1 C120.1 C121.1 C122.2 C123.2 C124.2 C125.2 C126.2 C127.1 C128.1 C129.1 C130.2 C131.1 C132.1 C133.1 C134.1 C135.1 C136.1 EXT1.3 GND1.1 GND2.1 HDMI1.0 HDMI1.2 HDMI1.5 HDMI1.8 HDMI1.11 HDMI1.17 LAN1.7 LAN1.8 LED_LINK1.1 MICRO_SD1.6 MICRO_SD1.10 MICRO_SD1.11 MICRO_SD1.12 MICRO_SD1.13 MIPI-CSI1.1 MIPI-CSI1.4 MIPI-CSI1.7 MIPI-CSI1.10 MIPI-DSI1.1 MIPI-DSI1.4 MIPI-DSI1.7 MIPI-DSI1.10 MIPI-DSI1.13 POE_PWR1.3 PWR1.1 Q2.3 Q3.3 Q4.3 Q6.3 R1.2 R2.2 R3.1 R5.1 R6.1 R10.1 R17.2 R23.1 R31.1 R45.2 R47.2 R50.1 R51.1 R53.1 R65.2 R70.2 R75.2 R76.1 R89.2 R94.2 R96.2 R98.2 R102.2 R103.2 RST1.2 TVS1.2 U1.105 U2.1 U2.33 U3.4 U4.1 U5.1 U6.2 U7.1 U9.3 U9.8 U10.3 U10.8 U11.3 U11.8 U12.6 U12.17 U12.23 U12.29 U12.32 U12.36 U12.42 U12.49 U12.51 U12.56 U12.65 U13.1 U14.2 U15.2 U16.1 UEXT1.2 USB-Serial/JTAG1.0 USB-Serial/JTAG1.A1 USB-Serial/JTAG1.A12 USB-Serial/JTAG1.B1 USB-Serial/JTAG1.B12 USB_HOST1-2.0 USB_HOST1-2.1.4 USB_HOST1-2.2.4 USB_HOST3-4.0 USB_HOST3-4.1.4 USB_HOST3-4.2.4
GNDA: C76.2 C77.2 C78.2 C79.2 C80.2 C81.2 C82.2 C83.2 C84.2 C85.2 C86.2 C87.2 C88.2 C99.2 C100.2 C101.1 C104.2 HEADSETS1.2 R31.2 R64.2 R68.2 R81.1 U8.5 U8.10 U8.21 VR2.2
VBAT: BAT1.1 BAT_SENS_E2.2 C121.2 C129.2 U15.3 U16.6 VBAT1.1
VCC_1.8V: C75.1 L6.1 L7.1 L8.1 Q5.3 R52.1 VR1.2
VDD_CORE: C6.1 C7.1 C47.2 C52.2 C62.2 C65.1 CORE1.1 L4.2 R40.1 R46.2 U1.26 U1.76 U1.91
/50MHz_CLKO: R38.2 U2.14
/ADCVREF: C86.1 R79.2 U8.15
/CSI_CLKN: MIPI-CSI1.8 U1.45
/CSI_CLKP: MIPI-CSI1.9 U1.44
/CSI_DATA0N: MIPI-CSI1.2 U1.42
/CSI_DATA0P: MIPI-CSI1.3 U1.43
/CSI_DATA1N: MIPI-CSI1.5 U1.46
/CSI_DATA1P: MIPI-CSI1.6 U1.47
/CSI_IO0\Reset: MIPI-CSI1.11 R27.2
/CSI_IO1\Strobe: MIPI-CSI1.12 R28.2
/DCDC_Vin: C35.1 DCDC_Vin1.2 U5.3
/DCDC_VIN: C34.1 C37.1 C116.2 C117.1 C124.1 C128.2 DC_VIN1.1 DCDC_Vin1.1 L11.2 U4.3 U4.4 U14.4 U14.5 U16.2 U16.7
/DSI_CLKN: MIPI-DSI1.5 U1.37 U12.8
/DSI_CLKP: MIPI-DSI1.6 U1.38 U12.7
/DSI_DATA0N: MIPI-DSI1.8 U1.40 U12.2
/DSI_DATA0P: MIPI-DSI1.9 U1.39 U12.1
/DSI_DATA1N: MIPI-DSI1.2 U1.36 U12.4
/DSI_DATA1P: MIPI-DSI1.3 U1.35 U12.3
/EN_DCDC: U1.79 U5.4
/ESP_EN: C40.2 EXT1.5 R19.1 R41.2 RST1.1 U1.103
/ESP_LDO_VO1: C8.2 C9.2 C36.1 C38.2 R48.1 U1.30 U1.71 U3.8 VO1.1
/ESP_LDO_VO4: C48.1 C49.1 C61.2 R11.1 R12.1 RM1.1.2 RM1.2.2 RM1.3.2 RM1.4.2 U1.74 U1.85 VO4.1
/FB_DCDC: C62.1 R46.1 R47.1 U1.78 U5.5
/FLASH_CK: U1.32 U3.6
/FLASH_CS: R48.2 U1.27 U3.1
/FLASH_D: U1.33 U3.5
/FLASH_HOLD: U1.31 U3.7
/FLASH_Q: U1.28 U3.2
/FLASH_WP: U1.29 U3.3
/GPIO2\User_Led: EXT1.7 U1.2 USER_LED1.1
/GPIO3\SD_DET: R12.2 R16.1 U1.3
/GPIO4\SPI_SCK(CLK): U1.4 UEXT1.9
/GPIO5\SPI_CSn(CS#): U1.5 UEXT1.10
/GPIO6\CODEC_PWR_DIS#: R49.2 U1.6 VR2.3
/GPIO7\I2C_SDA: FET3.3 FET6.3 FET7.2 MIPI-CSI1.14 MIPI-DSI1.12 R30.2 R83.2 U1.7
/GPIO8\I2C_SCL: FET4.3 FET5.3 FET8.2 MIPI-CSI1.13 MIPI-DSI1.11 R29.2 R86.2 U1.8
/GPIO9\I2S_DSDIN: RM2.4.1 U1.10
/GPIO10\I2S_LRCK: RM2.3.1 U1.11
/GPIO11\I2S_ASDOUT: RM2.2.1 U1.12
/GPIO12\I2S_SCLK: RM2.1.1 U1.13
/GPIO13\I2S_MCLK: R60.2 U1.14
/GPIO14: EXT1.8 U1.15
/GPIO15: EXT1.9 U1.16
/GPIO16: EXT1.10 U1.17
/GPIO17: EXT1.11 U1.18
/GPIO18: EXT1.12 U1.19
/GPIO19: EXT1.13 U1.20
/GPIO20/BAT_SENSE: BAT_SENS_E1.2 EXT1.14 U1.22
/GPIO21/HUB_RST#: R54.2 U1.23 U7.17
/GPIO22/I2C_SDA2: R93.1 U1.24 UEXT1.6
/GPIO23/I2C_SCL2: R92.1 U1.25 UEXT1.5
/GPIO26/USB1P1_1N: EXT1.4 U1.55
/GPIO27/USB1P1_1P: EXT1.6 U1.56
/GPIO32/EXT_PWR_SEN: EXT1.15 PWR_SENS_E1.2 U1.63
/GPIO33: EXT1.16 U1.64
/GPIO34\RMII_TXD0: U1.65 U2.9
/GPIO35\RMII_TXD1: BOOT1.1 C60.1 R43.2 U1.66 U2.8
/GPIO36: EXT1.17 R42.2 U1.68
/GPIO46: EXT1.18 U1.88
/GPIO47: EXT1.19 U1.89
/GPIO48: EXT1.20 U1.90
/GPIO53\SPI_TX(MOSI): U1.97 UEXT1.8
/GPIO54\SPI_RX(MISO): U1.98 UEXT1.7
/HP-L: C103.1 HEADSETS1.4
/HP-R: C102.1 HEADSETS1.3
/HPD_DET: HDMI1.19 R71.2 R75.1 U11.5 U11.6
/HSCL: FET8.3 HDMI1.15 R88.2 U11.2 U11.9
/HSDA: FET7.3 HDMI1.16 R84.2 U11.4 U11.7
/HUB_DRV: LED_HOST1.2 LED_HOST2.2 LED_HOST3.1 LED_HOST4.1 R74.1 U7.22
/HUB_LED1: R72.1 U7.23
/HUB_LED2: R73.1 U7.24
/LAN_Shield: C17.2 LAN1.0
/LED0\PHY_AD0: LED_ACT1.1 R7.1 U2.11
/LED3\PHY_AD3: R9.2 R10.2 U2.12
/LT8912_SCL: FET5.2 R61.2 U12.62
/LT8912_SDA: FET6.2 R62.2 U12.61
/LX2: D4.2 L11.1 U14.1
/MDC: R34.2 U1.61 U2.22
/MDIO: R35.2 U1.95 U2.23
/MICN: C97.1 R80.2 R81.2
/MICP: C98.1 HEADSETS1.1 R82.2
/OVCUR#: R67.1 U6.3 U7.26
/PG_Core: U5.6
/PHY_RSTN: C26.1 R18.2 R19.2 U1.94 U2.32
/PW+: LAN1.9 POE_PWR1.2
/PW-: LAN1.10 POE_PWR1.1
/PWREN#: R66.1 U6.4 U7.25
/RD+: LAN1.3 TVS1.5 U2.27
/RD-: LAN1.6 TVS1.1 U2.26
/RMII_CLK: R38.1 U1.93 U2.10
/RMII_RXD0: U1.58 U2.18
/RMII_RXD1: U1.60 U2.17
/RMII_RXDV: U1.57 U2.19
/RMII_TXEN: U1.92 U2.5
/RXER/INTR_32: R37.2 U2.21
/SD1_CLK: MICRO_SD1.5 U1.84
/SD1_CMD: MICRO_SD1.3 R11.2 U1.86
/SD1_D0: MICRO_SD1.7 RM1.4.1 U1.80
/SD1_D1: MICRO_SD1.8 RM1.3.1 U1.81
/SD1_D2: MICRO_SD1.1 RM1.2.1 U1.82
/SD1_D3: MICRO_SD1.2 RM1.1.1 U1.83
/SD1_PWR_EN: FET1.1 R3.2 U1.87
/SD1_VDD: C14.1 L1.2 MICRO_SD1.4
/SW1: L3.1 U4.2
/TD+: LAN1.1 TVS1.4 U2.30
/TD-: LAN1.2 TVS1.3 U2.29
/TX0_DN: HDMI1.9 U10.2 U10.9 U12.24
/TX0_DP: HDMI1.7 U10.1 U10.10 U12.25
/TX1_DN: HDMI1.6 U9.5 U9.6 U12.27
/TX1_DP: HDMI1.4 U9.4 U9.7 U12.28
/TX2_DN: HDMI1.3 U9.2 U9.9 U12.30
/TX2_DP: HDMI1.1 U9.1 U9.10 U12.31
/TX_CKN: HDMI1.12 U10.5 U10.6 U12.21
/TX_CKP: HDMI1.10 U10.4 U10.7 U12.22
/TX_HPD: Q5.2 R65.1 U12.14
/UART0_RX: R33.1 U1.70 UEXT1.4
/UART0_TX: U1.69 UEXT1.3
/USB1P1_0+: R25.2 U1.53
/USB1P1_0-: R26.2 U1.52
/USB1P1_0N: C27.1 R26.1 USB-Serial/JTAG1.A7 USB-Serial/JTAG1.B7
/USB1P1_0P: C28.1 R25.1 USB-Serial/JTAG1.A6 USB-Serial/JTAG1.B6
/USB_D1+: U7.11 USB_HOST1-2.1.3
/USB_D1-: U7.10 USB_HOST1-2.1.2
/USB_D2+: U7.9 USB_HOST1-2.2.3
/USB_D2-: U7.8 USB_HOST1-2.2.2
/USB_D3+: U7.7 USB_HOST3-4.1.3
/USB_D3-: U7.6 USB_HOST3-4.1.2
/USB_D4+: U7.5 USB_HOST3-4.2.3
/USB_D4-: U7.4 USB_HOST3-4.2.2
/USB_D+: R15.1 U1.50
/USB_D-: R14.1 U1.49
/USB_DN: R14.2 U7.15
/USB_DP: R15.2 U7.16
/VD18_O: C70.1 C71.1 U7.12 U7.28
/VD33_O: C68.1 C69.1 R54.1 R55.1 R66.2 R67.2 U7.13 U7.21
LT8912_VCCA: C94.1 C96.1 C107.2 C108.2 C109.2 L7.2 U12.5 U12.26 U12.41 U12.50 U12.52
LT8912_VCCA_HDMIPLL: C110.1 C111.2 L6.2 U12.34
LT8912_VDD: C95.1 C106.2 C112.2 FET5.1 FET6.1 L8.2 R61.1 R62.1 R85.2 U12.18 U12.33 U12.57
Net-(VR1-ADJ/GND): R50.2 R52.2 VR1.1
Net-(ACT/SUS1-A): ACT/SUS1.2 R74.2
Net-(BAT_SENS_E1-Pad1): BAT_SENS_E1.1 C115.2 R90.2 R96.1
Net-(BAT_SENS_E2-Pad1): BAT_SENS_E2.1 R90.1
Net-(C104-Pad1): C104.1 R78.1 R79.1 R80.1 R82.1
Net-(CHARGE1-K): CHARGE1.1 R91.1
Net-(D2-K): D2.1 R84.1 R88.1
Net-(FET3-S): FET3.2 R59.2
Net-(FET4-S): FET4.2 R58.2
Net-(LAN1-RCT): C16.2 LAN1.5
Net-(LAN1-TCT): C15.2 LAN1.4
Net-(LED_ACT1-A): LED_ACT1.2 R8.1
Net-(LED_HOST1-K): LED_HOST1.1 LED_HOST3.2 R72.2
Net-(LED_HOST2-K): LED_HOST2.1 LED_HOST4.2 R73.2
Net-(LED_LINK1-A): LED_LINK1.2 R9.1
Net-(MICRO_SD1-Pad9): MICRO_SD1.9 R16.2
Net-(PWR1-A): PWR1.2 R39.1
Net-(PWR_SENS_E1-Pad1): PWR_SENS_E1.1 R36.2 R94.1
Net-(Q5-B): Q5.1 R71.1
Net-(U1-CSI_REXT): R2.1 U1.48
Net-(U1-DSI_REXT): R1.1 U1.34
Net-(U1-GPIO0/XTAL_32K_N): C1.2 Q1.1 R13.1 U1.104
Net-(U1-GPIO1/XTAL_32K_P): C2.2 Q1.2 R13.2 U1.1
Net-(U1-NC(VDD_HP_1)): C33.2 R40.2 U1.54
Net-(U1-XTAL_N): C45.2 Q3.2 R32.2 U1.99
Net-(U1-XTAL_P): C44.2 Q3.1 R32.1 U1.100
Net-(U2-COL/RMII): R21.2 U2.4
Net-(U2-CRS/LEDMOD): R22.2 R23.2 U2.20
Net-(U2-ISET): R17.1 U2.25
Net-(U2-REGOUT): C18.1 C19.1 U2.28
Net-(U2-X1): C24.2 Q2.1 R20.2 U2.2
Net-(U2-X2): C25.2 Q2.2 R20.1 U2.3
Net-(U4-FB): C59.1 R44.1 R45.1 U4.5
Net-(U5-SW): L4.1 U5.2
Net-(U6-ISET): R51.2 U6.5
Net-(U7-BUSJ): R55.2 U7.19
Net-(U7-REXT): R53.2 U7.14
Net-(U7-VBUSM): R69.1 R70.1 U7.18
Net-(U7-XI): C72.1 Q4.1 U7.3
Net-(U7-XO): C73.1 Q4.2 U7.2
Net-(U8-ASDOUT): RM2.2.2 U8.7
Net-(U8-AVDD): C99.1 C100.1 C101.2 R77.2 R78.2 U8.11
Net-(U8-CCLK/SCL): C77.1 R56.1 R58.1 U8.1
Net-(U8-CDATA/SDA): C78.1 R57.1 R59.1 U8.19
Net-(U8-CE/AD0): R63.1 R64.1 U8.20
Net-(U8-DACVREF): C88.1 U8.14
Net-(U8-DSDIN): RM2.4.2 U8.9
Net-(U8-DVDD): C83.1 C85.1 C87.1 L5.2 U8.3 U8.4
Net-(U8-LRCK): C79.1 RM2.3.2 U8.8
Net-(U8-MCLK): C81.1 R60.1 U8.2
Net-(U8-MIC1N): C97.2 U8.17
Net-(U8-MIC1P/DMIC_SDA): C98.2 U8.18
Net-(U8-OUTN): C102.2 U8.13
Net-(U8-OUTP): C103.2 U8.12
Net-(U8-SCLK/DMIC_SCL): C80.1 RM2.1.2 U8.6
Net-(U8-VMID): C84.1 U8.16
Net-(U12-LPF): C110.2 U12.35
Net-(U12-R6K): R76.2 U12.13
Net-(U12-RESET_N): C105.2 R85.1 U12.64
Net-(U12-XTALI): C114.2 Q6.2 R87.2 U12.53
Net-(U12-XTALO): C113.2 Q6.1 R87.1 U12.54
Net-(U13-PR1): R24.1 R89.1 U13.4
Net-(U14-FB): R95.2 R98.1 U14.3
Net-(U15-CHRGb): R91.2 U15.1
Net-(U15-PROG): R102.1 U15.5
Net-(U16-PR1): R103.1 R105.1 U16.4
Net-(USB-Serial/JTAG1-CC1): R6.2 USB-Serial/JTAG1.A5
Net-(USB-Serial/JTAG1-CC2): R5.2 USB-Serial/JTAG1.B5
Net-(USER_LED1-A): R4.2 USER_LED1.2

Pads without a net: BAT1 0; FID1 Fid1; FID2 Fid1; FID3 Fid1; FID4 Fid1; FID5 Fid1; FID6 Fid1; FID7 Fid1; FID8 Fid1; HDMI1 13 14; MIPI-CSI1 16 17 18 19 20 21 22 23 24 25 26 27 28 29 30; MIPI-DSI1 16 17 18 19 20 21 22 23 24 25 26 27 28 29 30; POE_PWR1 0; U2 6 7 15 16 24; U4 6; U7 27; U8 FID1 FID2; U11 1 10; U12 9 10 11 12 15 16 19 20 37 38 39 40 43 44 45 46 47 48 55 58 59 60 63; U13 8; U14 6; U16 8; USB-Serial/JTAG1 A8 B8; VR2 4

## Via types
v1: diameter 0.6, hole 0.3, Top to Bottom, 342 vias
v2: diameter 1, hole 0.6, Top to Bottom, 189 vias
v3: diameter 0.9, hole 0.5, Top to Bottom, 5 vias
v4: diameter 0.8, hole 0.4, Top to Bottom, 13 vias

## Routing (per net, layer and track width the routed paths; a pad name or vN(x,y) marks a point on that pad's centre or on a via; arc(x,y) is an arc through that point)
+1V8: length 13.2
  Top w0.178: v1(26.24,42.22) 26.23,42.23 25.43,42.23 ; 24.73,40.48 24.54,40.29 24.44,40.29 24.62,40.48 24.73,40.48 ; 24.73,40.48 25.43,40.48 ; v1(26.24,45.04) 26.23,45.03 25.43,45.03
  Top w0.508: v2(23.62,39.97) 24.12,39.97 24.44,40.29
  Bottom w0.508: v1(26.24,42.22) 25.38,42.22 C55.2 25.02,42.37 24.18,42.37 ; 24.97,45.04 25.1,45.17 C54.2 26.11,45.17 v1(26.24,45.04)
  Bottom w0.762: v2(23.62,39.97) 23.62,41.81 24.18,42.37 24.18,44.25 24.97,45.04
+2.5V: length 17.9
  Top w0.127: 26.23,40.13 v1(26.24,40.14)
  Top w0.178: v1(29.95,46.99) 29.96,47 U1.41 ; 25.43,40.13 26.23,40.13
  In1.Cu w0.508: v1(29.95,46.99) 29.11,47.83 26.04,47.83 25.45,47.25 25.45,40.92 26.24,40.14
  Bottom w0.305: C11.1 VO3.1
  Bottom w0.508: C58.2 27,40.14 v1(26.24,40.14) ; C10.1 C11.1 29.74,47.2 v1(29.95,46.99)
